# Altium PCB QAM16_PCB.PcbDoc (part 1 of 3) (continued)
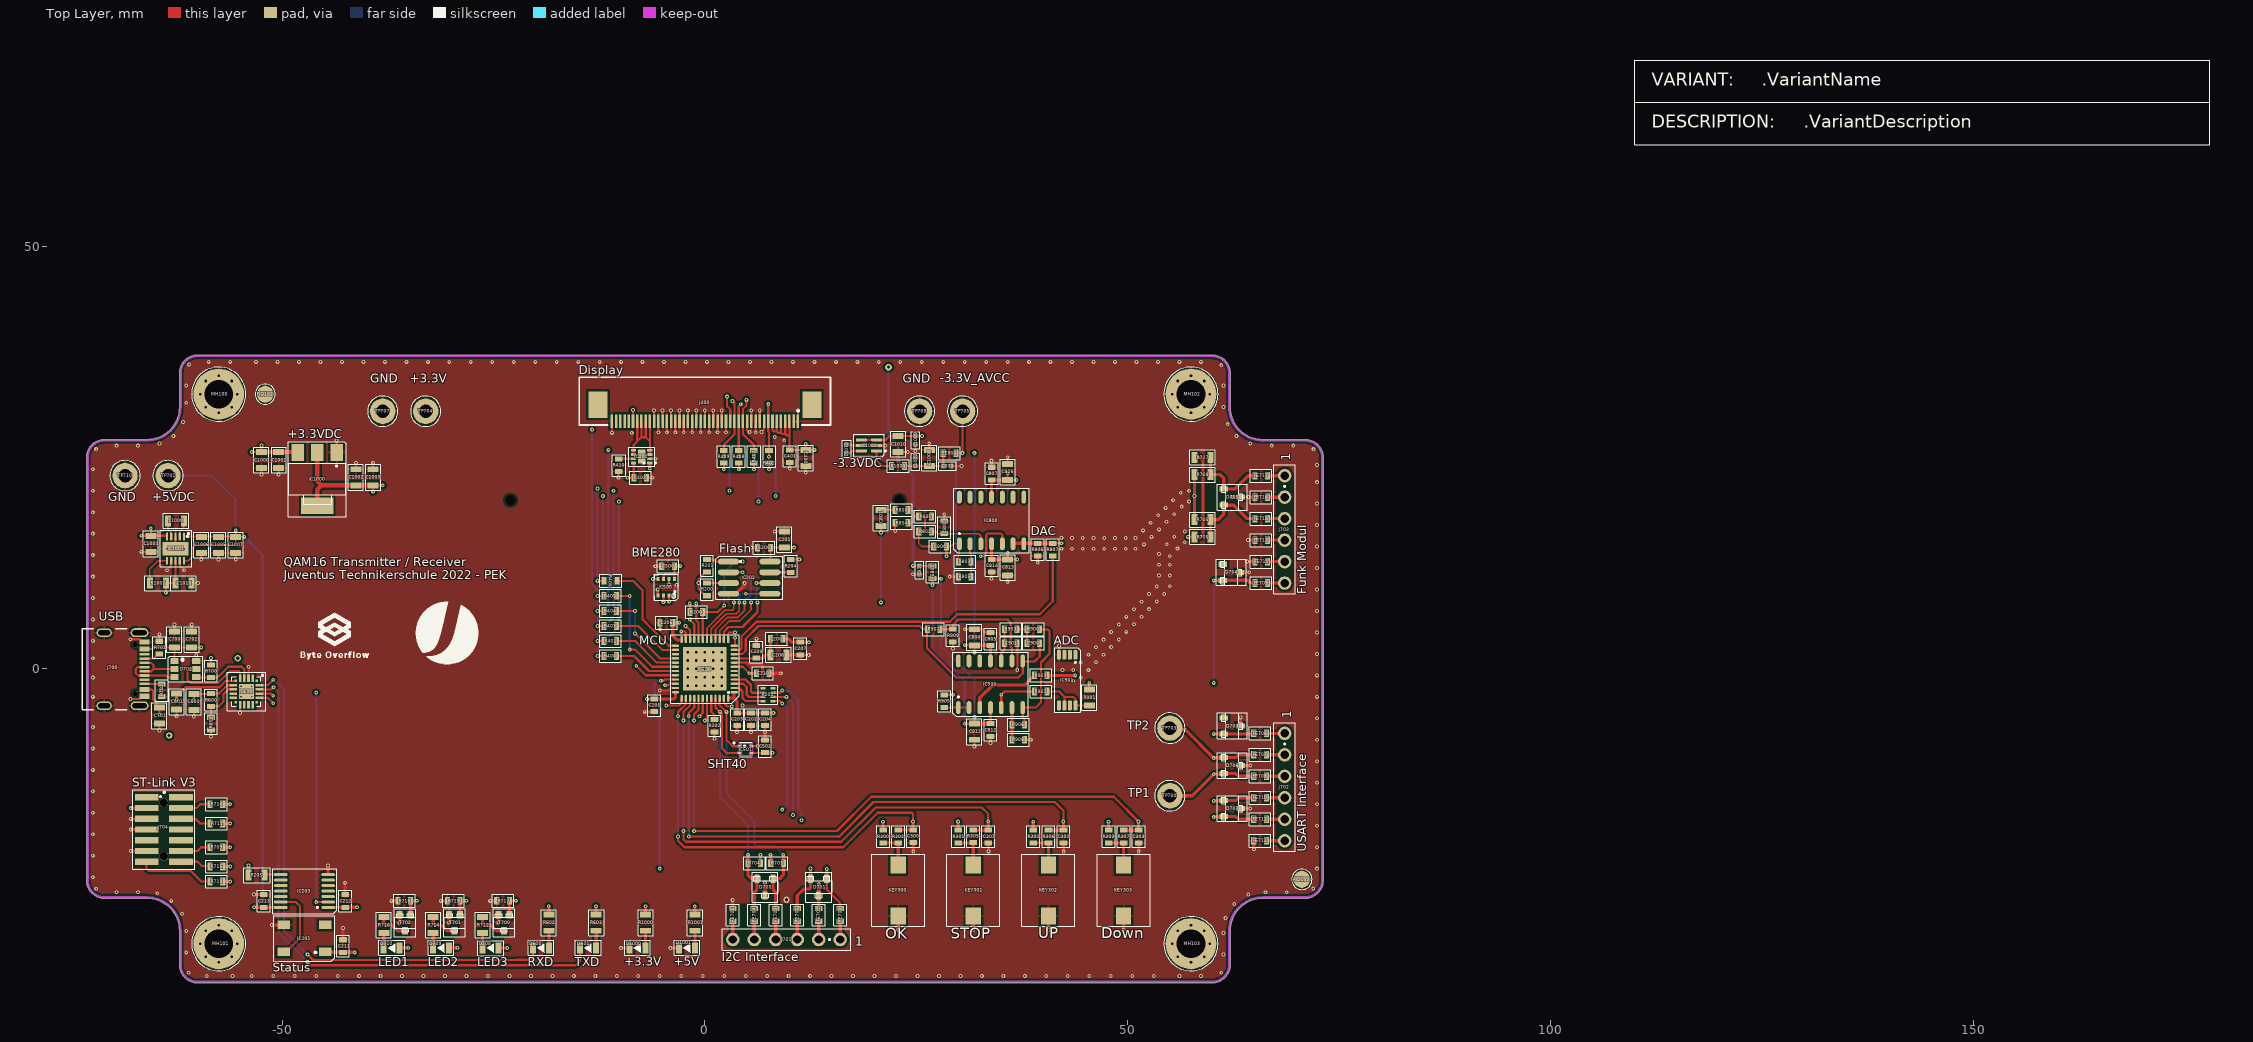
[diagram p0: Top Layer view]
## Part data (continued)
D700 D701 D703 D704 D705 D706 D707: library part A0113, "Diode", Manufacturer="Nexperia USA Inc.", Manufacturer Part Number=PESD5V2S2UT,215, Operating Range="-65°C to +150°C", Supplier Part Number=1727-3843-1-ND, Availability Date="22.09.2016 OPT", Changed="22.09.2016 OPT", Component Type=Standard, ComponentLink1Description=Datasheet, ComponentLink1URL=http://www.nxp.com/documents/data_sheet/PESDXS2UT_SERIES.pdf, Flammability=n.a., ID=A0113, Note="NXP Semiconductors PESD5V2S2UT 215 ESD Schutzdiode TVS-diode array", Part Status=Active, Part-Number=61.1522.1215, Pin Count=3, Price=0.097, Price 100=0.16, Price 1000=0.117, Price Date="02.12.2019 Pro Alpha", RoHS="RoHS Compliant", RoHS compliant=Yes, Specification="22.09.2016 OPT", Status=Active, Supplier=Digi-Key
D702: library part A0111, "Diode", Manufacturer="ON Semiconductor", Operating Range="-55°C to +125°C", Supplier Part Number=STF202-22T1GOSCT-ND, Availability Date="14.09.2016 OPT", Changed="14.09.2016 OPT", Component Type=Standard, ComponentLink1Description=Datasheet, ComponentLink1URL=http://www.onsemi.com/pub_link/Collateral/STF202-22T1-D.PDF, Flammability=n.a., ID=A0111, Manufacturer Part Number=STF202-22T1G, Note="ON Semiconductor STF202-22T1G USB Filter with ESD Protection", Part Status=Active, Part-Number=61.0202.2200, Pin Count=6, Price=0.31, Price 100=0.303, Price 1000=0.234, Price Date="02.12.2019 Pro Alpha", RoHS="RoHS Compliant", RoHS compliant=Yes, Specification="14.09.2016 OPT", Status=Active, Supplier=Digi-Key
FE700 FE701 FE702 FE703 FE704 FE705 FE706 FE707 FE708 FE709 FE710 FE711 FE712 FE713 FE714 FE715 FE716 FE717 FE800 FE801: library part M0071, "Ferrite", Manufacturer="Murata Electronics North America", Operating Range="-55°C to +125°C", Supplier Part Number 1=490-1015-1-ND, Availability Date="21.09.2016 OPT", Changed="21.09.2016 OPT", Component Type=Standard, ComponentLink1Description=Datasheet, ComponentLink1URL=http://search.murata.co.jp/Ceramy/image/img/PDF/ENG/L0110S0100BLM18A.pdf, Flammability=n.a., ID=M0071, Manufacturer Part Number=BLM18AG102SN1D, Note="Murata BLM18AG102SN1D Ferrit 1000Ohm 400mA", Part Status=Active, Part-Number=69.1810.2000, Pin Count=2, Price=0.021, Price 100=0.035, Price 1000=0.026, Price Date="02.12.2019 Pro Alpha", RoHS="RoHS Compliant", RoHS compliant=Yes, Specification="21.09.2016 OPT", Status=Active, Supplier 1=Digi-Key
FID100 FID101 FID102 FID103: library part C0039, "FIDUCIAL", Operating Range="-50°C to +130°C", Availability Date=-, Changed="19.09.2011 MLP", Component Type=Standard, Flammability="UL 94 V-0", ID=C0039, Note=FIDUCIAL-2, Part-Number=00.0000.0000, Pin Count=1, Price=0, Price 100=0, Price 1000=0, Price Date="07.10.2011 MLP", RoHS compliant=Yes, Specification="19.09.2011 MLP", Status=Active
IC200: library part H0056, "uC", Manufacturer=STMicroelectronics, Manufacturer Part Number=STM32L452CEU6, Operating Range="-40°C to +85°C", Availability Date="19.10.2022 PEK", Changed="19.10.2022 PEK", Component Type=Standard, ComponentLink1Description=Datasheet, ComponentLink1URL=https://www.st.com/resource/en/datasheet/stm32l452re.pdf, Flammability=n.a, ID=H0056, Note="ARM Mikrocontroller - MCU STM32 Dyn Eff MCU 512 K 100 MHz CPU", Part Status=Active, Part-Number=00.0000.0000, Pin Count=48, Price=11.81, Price 100=9.99, Price 1000=9.99, Price Date="19.10.2022 PEK", RoHS="RoHS Compliant", RoHS compliant=Yes, Specification="19.10.2022 PEK", Status=Active, Supplier 1=Farnell
IC201: library part A0133, "LED", Manufacturer=China, Operating Range="-40°C to +85°C", Availability Date="14.11.2019 PEK", Changed="14.11.2019 PEK", Component Type=Standard, ComponentLink1Description=Datasheet, ComponentLink1URL=https://cdn-shop.adafruit.com/datasheets/WS2812B.pdf, Flammability=n.a., ID=A0133, Manufacturer Part Number=WS2812B, Note="Addressable RGB LED", Part Status=Active, Part-Number=00.0000.0000, Pin Count=4, Price=0.4, Price 100=0.4, Price 1000=0.4, Price Date="14.11.2019 PEK", RoHS="RoHS Compliant", RoHS compliant=Yes, Specification="14.11.2019 PEK", Status=Active, Supplier=Aliexpress, Supplier Part Number=WS2812B, Verification="14.11.2019 PEK"
IC202: library part L0021, "Memory", Manufacturer="Microchip Technology", Operating Range="-40°C to +85°C", Supplier Part Number 1=AT25M01-SHM-TCT-ND, Availability Date="14.11.2016 OPT", Changed="06.04.2016 OPT", Component Type=Standard, ComponentLink1Description=Datasheet, ComponentLink1URL=http://www.atmel.com/images/atmel-8824-seeprom-at25m01-datasheet.pdf, Flammability=n.a., ID=L0021, Manufacturer Part Number=AT25M01-SHM-T, Note="Atmel AT25M01-SHM-T SPI Serial EEPROM 1MBIT", Part Status="Discontinued at Digi-Key", Part-Number=00.0000.0000, Pin Count=8, Price=2.48, Price 100=1.95, Price 1000=1.75, Price Date="06.04.2016 OPT", RoHS="RoHS Compliant", RoHS compliant=Yes, Specification="06.04.2016 OPT", Status=Active, Supplier 1=Digi-Key
IC203: library part E0093, "Level-shifter", Manufacturer="Texas Instruments", Manufacturer Part Number=TXB0104PWR, Operating Range="-40°C to +85°C", Supplier Part Number 1=296-21929-1-ND, Availability Date="15.11.2016 OPT", Changed="06.08.2015 NEC", Component Type=Standard, ComponentLink1Description=Datasheet, ComponentLink1URL=http://www.ti.com/lit/ds/symlink/txb0104.pdf, Flammability=n.a., ID=E0093, Note="Ti TXB0104PWR 4-Bit Bidirectional Voltage-level Translator With Automatic Direction Sensing", Part Status=Active, Part-Number=61.0104.9900, Pin Count=14, Price=0.883, Price 100=0.95, Price 1000=0.55, Price Date="02.12.2019 Pro Alpha", RoHS="RoHS Compliant", RoHS compliant=Yes, Specification="06.08.2015 NEC", Status=Active, Supplier 1=Digi-Key
IC400: library part E0058, "Driver", Manufacturer="ON Semiconductor", Operating Range="-40°C to +125°C", Supplier Part Number 1=CAT4004AHU2-GT3OSCT-ND, Availability Date="15.11.2016 OPT", Changed="13.09.2013 OPT", Component Type=Standard, ComponentLink1Description=Datasheet, ComponentLink1URL=http://www.onsemi.com/pub_link/Collateral/CAT4004A-D.PDF, Flammability=n.a., ID=E0058, Manufacturer Part Number=CAT4004AHU2-GT3, Note="ON Semiconductor CAT4004AHU2-GT3 LED-Beleuchtungstreiber LED DR 4 CH EZ DIM I/F", Part Status=Active, Part-Number=61.4004.2300, Pin Count=8, Price=0.591, Price 100=0.624, Price 1000=0.436, Price Date="02.12.2019 Pro Alpha", RoHS="RoHS Compliant", RoHS compliant=Yes, Specification="13.09.2013 OPT", Status=Active, Supplier 1=Digi-Key, Verification="18.09.2014 FUW"
IC500: library part E0109, "Sensor", Manufacturer="Bosch Sensortec", Operating Range="-40°C to +85°C", Supplier Part Number 1=828-1063-1-ND, Availability Date="15.11.2016 OPT", Changed="05.04.2016 ENP", Component Type=Standard, ComponentLink1Description=Datasheet, ComponentLink1URL=https://ae-bst.resource.bosch.com/media/_tech/media/datasheets/BST-BME280_DS001-11.pdf, Flammability=n.a., ID=E0109, Manufacturer Part Number=BME280, Note="Bosch BME280 Digital Pressure/Humidity/Temperature Sensor", Part Status=Active, Part-Number=61.0280.0499, Pin Count=8, Price=3.595, Price 100=6.18, Price 1000=5.35, Price Date="02.12.2019 Pro Alpha", RoHS="RoHS Compliant", RoHS compliant=Yes, Specification="05.04.2016 ENP", Status=Active, Supplier 1=Digi-Key
IC501: library part E0147, "Sensor", Manufacturer=Sensirion, Operating Range="-40°C to +85°C", Supplier Part Number 1=403-SHT40-AD1B-R2, Availability Date="02.04.2021 PEK", Changed="02.04.2021 PEK", Component Type=Standard, ComponentLink1Description=Datasheet, ComponentLink1URL=https://www.mouser.ch/datasheet/2/682/Datasheet_SHT4xA-3002605.pdf, Flammability=n.a, ID=E0147, Manufacturer Part Number=SHT40-AD1B-R2, Note="Feuchtigkeitssensoren für Plattenmontage RH/ T Sensor", Part Status=Active, Part-Number=00.0000.0000, Pin Count=5, Price=2.87, Price 100=1.68, Price 1000=1.33, Price Date="02.04.2021 PEK", RoHS="RoHS Compliant", RoHS compliant=Yes, Specification="02.04.2021 PEK", Status=Active, Supplier 1=Mouser
IC600: library part E0130, "Interface", Manufacturer="Silicon Labs", Manufacturer Part Number=CP2102N-A02-GQFN20, Operating Range="-40°C to +85°C", Availability Date="02.12.2019 PEK", Changed="02.12.2019 PEK", Component Type=Standard, ComponentLink1Description=Datasheet, ComponentLink1URL=https://www.mouser.ch/datasheet/2/368/cp2102n-datasheet-1634912.pdf, Flammability=n.a, ID=E0130, Note="USB-IC-Schnittstelle USB to UART bridge - QFN20", Part Status=Active, Part-Number=00.0000.0000, Pin Count=21, Price=1.27, Price 100=1.18, Price 1000=1.14, Price Date="02.12.2019 PEK", RoHS="RoHS Compliant", RoHS compliant=Yes, Specification="02.12.2019 PEK", Status=Active, Supplier 1=Mouser, Supplier Part Number 1=CP2102N-A02-GQFN20
IC800 IC900: library part I0016, "OPAMP", Manufacturer="Texas Instruments", Operating Range="-40°C to +125°C", Availability Date="19.09.2020 PEK", Changed="19.09.2020 PEK", Component Type=Standard, ComponentLink1Description=Datasheet, ComponentLink1URL=https://www.ti.com/lit/ds/symlink/lmc6484.pdf?ts=1600470487572&ref_url=https%253A%252F%252Fwww.ti.com%252Fstore%252Fti%252Fen%252Fp%252Fproduct%252F%253Fp%253DLMC6484IMX%252FNOPB, Flammability=n.a., ID=I0016, Manufacturer Part Number=LMC6484IMX/NOPB, Note="Operationsverstärker CMOS QUAD Rail to Rail", Part Status=Active, Part-Number=00.0000.0000, Pin Count=14, Price=2.25, Price 100=1.52, Price 1000=1.03, Price Date="19.09.2020 PEK", RoHS="RoHS Compliant", RoHS compliant=Yes, Specification="19.09.2020 PEK", Status=Active, Supplier 1=Mouser, Supplier Part Number 1=LMC6484IMX/NOPB
IC901: library part E0101, "Voltage reference", Manufacturer="Texas Instruments", Operating Range="-55°C to +85°C", Supplier Part Number 1=296-13079-1-ND, Availability Date="15.11.2016 OPT", Changed="28.10.2015 OPT", Component Type=Standard, ComponentLink1Description=Datasheet, ComponentLink1URL=http://www.ti.com/lit/ds/symlink/lt1004-1.2.pdf, Flammability=n.a., ID=E0101, Manufacturer Part Number=LT1004IPWR-1-2, Note="Ti LT1004IPWR-1-2 1.235V MICROPOWER INTEGRATED VOLTAGE REFERENCE", Part Status=Active, Part-Number=00.0000.0000, Pin Count=8, Price=0.946, Price 100=0.587, Price 1000=0.409, Price Date="28.10.2015 OPT", RoHS="RoHS Compliant", RoHS compliant=Yes, Specification="28.10.2015 OPT", Status=Active, Supplier 1=Digi-Key
IC1000: library part K0059, "Voltage regulator", Manufacturer="Texas Instruments", Manufacturer Part Number=TLV1117LV33DCYR, Operating Range="-40°C to +125°C", Supplier Part Number 1=296-28778-1-ND, Availability Date="14.09.2016 OPT", Changed="14.09.2016 OPT", Component Type=Standard, ComponentLink1Description=Datasheet, ComponentLink1URL=http://www.ti.com/lit/ds/symlink/tlv1117lv.pdf, Flammability=n.a., ID=K0059, Note="Ti TLV1117LV33DCY 3.3V 1A pos. fixed Voltage LDO", Part Status=Active, Part-Number=00.0000.0000, Pin Count=4, Price=0.607, Price 100=0.33, Price 1000=0.265, Price Date="14.09.2016 OPT", RoHS="RoHS Compliant", RoHS compliant=Yes, Specification="14.09.2016 OPT", Status=Active, Supplier 1=Digi-Key
IC1001: library part K0067, "Voltage regulator", Manufacturer="Analog Devices", Manufacturer Part Number=584-ADP2503ACPZ5.0R7, Operating Range="-40°C to +125°C", Availability Date="27.10.2022 PEK", Changed="27.10.2022 PEK", Component Type=Standard, ComponentLink1Description=Datasheet, ComponentLink1URL=https://www.mouser.ch/datasheet/2/609/ADP2503_2504-1503443.pdf, Flammability=n.a, ID=K0067, Note="Schaltspannungsregler 5V 600mA, Buck Boost Converter", Part Status=Active, Part-Number=00.0000.0000, Pin Count=10, Price=5.04, Price 100=3.70, Price 1000=2.68, Price Date="27.10.2022 PEK", RoHS="RoHS Compliant", RoHS compliant=Yes, Specification="27.10.2022 PEK", Status=Active, Supplier 1=Mouser, Supplier Part Number 1=584-ADP2503ACPZ5.0R7
IC1002: library part K0070, "Voltage regulator", Manufacturer="Maxim Integrated", Operating Range="-40°C to +125°C", Supplier Part Number 1=700-MAX1853EXT+T, Artikel-Nr.=61.1836.9600, Availability Date="27.10.2022 PEK", Changed="27.10.2022 PEK", Component Type=Standard, ComponentLink1Description=Datasheet, ComponentLink1URL=https://www.mouser.ch/datasheet/2/256/MAX1852-MAX1853-1273825.pdf, Flammability=n.a, ID=K0070, Manufacturer Part Number=MAX1853EXT+T, Note="Schaltspannungsregler SC70-6 Inverting Charge Pumps with Shutdown MAX1853EXT+T", Part Status=Active, Part-Number=00.0000.0000, Pin Count=6, Preis(CHF)=2.7000, Price=2.19, Price 100=1.58, Price 1000=1.11, Price Date="27.10.2022 PEK", RoHS="RoHS Compliant", RoHS compliant=Yes, Specification="27.10.2022 PEK", Status=Active, Supplier 1=Mouser
J400: library part N0180, "Connector", Operating Range="-40°C to +120°C", Availability Date="02.04.2022 PEK", Changed="02.04.2022 PEK", Component Type=Standard, ComponentLink1Description=Datasheet, ComponentLink1URL=https://cdn.amphenol-cs.com/media/wysiwyg/files/documentation/datasheet/flex/ffc_fpc_050mm_f32r_f32q.pdf, Flammability="UL 94 V-0", ID=N0180, Note="FFC & FPC-Steckverbinder F31W-1A7H1-11024-Slider type", Part-Number=00.0000.0000, Pin Count=45, Price=1.11, Price 100=1.11, Price 1000=1.11, Price Date="02.04.2022 PEK", RoHS compliant=Yes, Specification="02.04.2022 PEK", Status=Active
J700: library part N0175, "Connector", Manufacturer=GCT, Manufacturer Part Number=USB4105-GF-A, Operating Range="-40°C to +120°C", Package=None, Supplier Part Number 1=640-USB4105-GF-A, Availability=Unavailable, Availability Date="28.03.2021 PEK", Changed="28.03.2021 PEK", Component Type=Standard, ComponentLink1Description=Datasheet, ComponentLink1URL=https://www.mouser.ch/datasheet/2/837/USB4105_spec-2327646.pdf, DeviceSetName=105450-0101, Flammability="UL 94 V-0", GateName_1=G$1, ID=N0175, LibraryName=105450-0101, MF=Molex, MP=1054500101, Note="USB-Stecker USB Type C,2.0, Rec, SMT,TH Shell Stakes USB4105-GF-A", Part Status=Active, Part-Number=00.0000.0000, Pin Count=16, Price=0.75, Price 100=0.46, Price 1000=0.41, Price Date="28.03.2021 PEK", RoHS="RoHS Compliant", RoHS compliant=Yes, Specification="28.03.2021 PEK", Status=Active, Supplier 1=Mouser, SymbolName_1=105450-0101
J701 J702 J703: library part N0117, "Connector", Operating Range="-65°C to +125°C", Availability Date="16.11.2016 OPT", Changed="13.01.2015 NEC", Component Type=Standard, Flammability=n.a., ID=N0117, Note="Stiftleiste 6pol", Part-Number=86.5180.0110-6, Pin Count=6, Price=0.05, Price 100=0.05, Price 1000=0.05, Price Date="13.01.2015 NEC", RoHS compliant=Yes, Specification="13.01.2015 NEC", Status=Active
J704: library part N0177, "Connector", Manufacturer=Samtec, Manufacturer Part Number=FTSH-107-01-L-DV-K-A, Operating Range="-40°C to +120°C", Supplier Part Number 1=200-FTSH10701LDVKA, Availability Date="28.03.2021 PEK", Changed="28.03.2021 PEK", Component Type=Standard, ComponentLink1Description=Datasheet, ComponentLink1URL=https://www.mouser.ch/datasheet/2/527/ftsh_smt-1316912.pdf, Flammability="UL 94 V-0", ID=N0177, Note=Stiftleiste_Stlink_V3, Part Status=Active, Part-Number=00.0000.0000, Pin Count=14, Price=3.90, Price 100=3.22, Price 1000=2.20, Price Date="28.03.2021 PEK", RoHS="RoHS Compliant", RoHS compliant=Yes, Specification="28.03.2021 PEK", Status=Active, Supplier 1=Mouser
KEY300 KEY301 KEY302 KEY303: library part O0015, "Button", Manufacturer=E-Switch, Operating Range="-20°C to +60°C", Supplier Part Number 1=612-TL9210AF180Q, Availability Date="05.11.2022 PEK", Changed="05.11.2022 PEK", Component Type=Standard, ComponentLink1Description=Datasheet, ComponentLink1URL=https://www.mouser.ch/datasheet/2/140/e-switch_TL9210-1165861.pdf, Flammability=n.a., ID=O0015, Manufacturer Part Number=TL9210AF180Q, Note="Sensorschalter 180gF SPST LngTravel 50mA 12VDC 200gF", Part Status=Active, Part-Number=00.0000.0000, Pin Count=2, Price=0.63, Price 100=0.61, Price 1000=0.38, Price Date="05.11.2022 PEK", RoHS="RoHS Compliant", RoHS compliant=Yes, Specification="05.11.2022 PEK", Status=Active, Supplier 1=Mouser
L200: library part M0007, "Inductor", Manufacturer="Taiyo Yuden", Manufacturer Part Number=HK160822NJ-T, Operating Range="-40°C to +85°C", Supplier Part Number 1=587-1549-1-ND, Availability Date="15.11.2016 OPT", Changed="19.09.2011 MLP", Component Type=Standard, Flammability=n.a., ID=M0007, Note="Taiyo Yuden HK160822NJ-T Festinduktoren INDCTR HIFREQ MLTLYR 0603 22nH 5%", Part Status=Active, Part-Number=69.0220.0000, Pin Count=2, Price=0.029, Price 100=0.076, Price 1000=0.05, Price Date="02.12.2019 Pro Alpha", RoHS="RoHS Compliant", RoHS compliant=Yes, Specification="19.09.2011 MLP", Status=Active, Supplier 1=Digi-Key, Verification="05.07.2012 OPT"
L1000: library part M0085, "Inductor", Manufacturer=TDK, Manufacturer Part Number=ADL2012-1R5M-T01, Operating Range="-40°C to +125°C", Supplier Part Number 1=810-ADL2012-1R5M-T01, Availability Date="27.10.2022 PEK", Changed="27.10.2022 PEK", Component Type=Standard, ComponentLink1Description=Datasheet, ComponentLink1URL=https://product.tdk.com/system/files/dam/doc/product/inductor/inductor/smd/catalog/inductor_automotive_decoupling_adl2012_en.pdf, Flammability=n.a., ID=M0085, Note="Festinduktivitäten 1.5uH 10% 0.56A CWF2414", Part Status=Active, Part-Number=00.0000.0000, Pin Count=2, Price=0.62, Price 100=0.37, Price 1000=0.26, Price Date="27.10.2022 PEK", RoHS="RoHS Compliant", RoHS compliant=Yes, Specification="27.10.2022 PEK", Status=Active, Supplier 1=Mouser
MH100 MH101 MH102 MH103: library part C0025, "PCB hole", Operating Range="-50°C to +130°C", Availability Date=-, Changed="15.01.2013 OPT", Component Type=Standard, ID=C0025, Note=MH_M3_RND_2, Part-Number=00.0000.0000, Pin Count=1, Price=0.000, Price 100=0, Price 1000=0, Price Date="15.01.2013 OPT", Specification="15.01.2013 OPT", Status=Active
R200 R201 R202 R204 R300 R301 R302 R303 R402 R407 R408 R409 R801 R802 R805 R806 R807 R900 R902 R903 R904 R905 R908 R909: library part Q0017, "Resistor", Manufacturer="Vishay Dale", Manufacturer Part Number=CRCW060310K0FKEAHP, Operating Range="-55°C to +155°C", Supplier Part Number=541-10.0KSCT-ND, Availability Date="16.11.2016 OPT", Changed="19.09.2011 MLP", Component Type=Standard, ComponentLink1Description=http://www.vishay.com/docs/20043/crcwhpe3.pdf, ComponentLink1URL=http://www.vishay.com/docs/20043/crcwhpe3.pdf, Flammability=n.a., ID=Q0017, Note="10k 1% 100ppm 1/10W Vishay CRCW060310K0FKEA", Part Status=Active, Part-Number=71.1002.1300, Pin Count=2, Price=0.001, Price 100=0.002, Price 1000=0.002, Price Date="02.12.2019 Pro Alpha", RoHS="RoHS Compliant", RoHS compliant=Yes, Specification="19.09.2011 MLP", Status=Active, Supplier=Digi-Key, Verification="05.07.2012 OPT"
R203: library part Q0303, "Resistor", Manufacturer="Vishay Dale", Manufacturer Part Number=CRA04S083100RJTD, Operating Range="-55°C to +150°C", Supplier Part Number=CRA4S8100CT-ND, Availability Date="16.11.2016 OPT", Changed="23.09.2014 OPT", Component Type=Standard, ComponentLink1Description=Datasheet, ComponentLink1URL=http://www.mouser.com/ds/2/427/cra04s-103900.pdf, ComponentLink2Description=http://www.vishay.com/docs/31043/cra04s.pdf, ComponentLink2URL=http://www.vishay.com/docs/31043/cra04s.pdf, Flammability=n.a., ID=Q0303, Note="100E 4x 5.0% 200ppm 1/16W Vishay CRA04S083100RJTD", Part Status=Active, Part-Number=71.1000.1399, Pin Count=2, Price=0.025, Price 100=0.077, Price 1000=0.058, Price Date="02.12.2019 Pro Alpha", RoHS="RoHS Compliant", RoHS compliant=Yes, Specification="30.06.2014 OPT", Status=Active, Supplier=Digi-Key
R205 R705 R706 R707 R708 R1002: library part Q0244, "Resistor", Manufacturer="Vishay Dale", Manufacturer Part Number=CRCW08050000Z0EAHP, Operating Range="-55°C to +155°C", Supplier Part Number=541-0.0TBCT-ND, Availability Date="16.11.2016 OPT", Changed="23.04.2013 OPT", Component Type=Standard, ComponentLink1Description=Datasheet, ComponentLink1URL=http://www.mouser.com/ds/2/427/dcrcwe3-109170.pdf, ComponentLink2Description=http://www.vishay.com/docs/20043/crcwhpe3.pdf, ComponentLink2URL=http://www.vishay.com/docs/20043/crcwhpe3.pdf, Flammability=n.a., ID=Q0244, Note="0E 1.0% Vishay/Dale CRCW08050000Z0EA", Part Status=Active, Part-Number=71.0000.0500, Pin Count=2, Price=0.005, Price 100=0.007, Price 1000=0.007, Price Date="02.12.2019 Pro Alpha", RoHS="RoHS Compliant", RoHS compliant=Yes, Specification="23.04.2013 OPT", Status=Active, Supplier=Digi-Key, Verification="05.03.2013 ENP"
R206 R304 R305 R306 R307 R400 R401 R403 R404 R405 R406 R709 R710 R711 R713 R715: library part Q0011, "Resistor", Manufacturer="Vishay Dale", Manufacturer Part Number=CRCW0603100RFKEA, Operating Range="-55°C to +155°C", Supplier Part Number=541-100HCT-ND, Availability Date="16.11.2016 OPT", Changed="19.09.2011 MLP", Component Type=Standard, ComponentLink1Description=http://www.vishay.com/docs/20035/dcrcwe3.pdf, ComponentLink1URL=http://www.vishay.com/docs/20035/dcrcwe3.pdf, Flammability=n.a., ID=Q0011, Note="100E 1% 100ppm 1/10W Vishay / Dale CRCW0603100RFKTB", Part Status=Active, Part-Number=71.1000.1300, Pin Count=2, Price=0.002, Price 100=0.002, Price 1000=0.002, Price Date="02.12.2019 Pro Alpha", RoHS="RoHS Compliant", RoHS compliant=Yes, Specification="19.09.2011 MLP", Status=Active, Supplier=Digi-Key, Verification="05.07.2012 OPT"
R410: library part Q0140, "Resistor", Manufacturer="Vishay Dale", Manufacturer Part Number=CRCW06033K90FKEA, Operating Range=-, Supplier Part Number=541-3.90KHCT-ND, Availability Date="16.11.2016 OPT", Changed="19.09.2011 MLP", Component Type=Standard, Flammability=n.a., ID=Q0140, Note="3.9k 1% 100ppm 1/10W Vishay CRCW06033K90FKEA", Part Status=Active, Part-Number=71.3901.1300, Pin Count=2, Price=0.002, Price 100=0.002, Price 1000=0.002, Price Date="02.12.2019 Pro Alpha", RoHS="RoHS Compliant", RoHS compliant=Yes, Specification="19.09.2011 MLP", Status=Active, Supplier=Digi-Key, Verification="05.07.2012 OPT"
R600: library part Q0094, "Resistor", Manufacturer="Vishay Dale", Manufacturer Part Number=CRCW060322K0FKEA, Operating Range="-55°C to +155°C", Supplier Part Number=541-22.0KHCT-ND, Availability Date="16.11.2016 OPT", Changed="19.09.2011 MLP", Component Type=Standard, ComponentLink1Description=http://www.vishay.com/docs/20035/dcrcwe3.pdf, ComponentLink1URL=http://www.vishay.com/docs/20035/dcrcwe3.pdf, Flammability=n.a., ID=Q0094, Note="22k 1% 100ppm 1/10W Vishay CRCW060322K0FKTA", Part Status=Active, Part-Number=71.2202.1300, Pin Count=2, Price=0.002, Price 100=0.002, Price 1000=0.002, Price Date="02.12.2019 Pro Alpha", RoHS="RoHS Compliant", RoHS compliant=Yes, Specification="19.09.2011 MLP", Status=Active, Supplier=Digi-Key, Verification="05.07.2012 OPT"
R601: library part Q0153, "Resistor", Manufacturer="Vishay Dale", Manufacturer Part Number=CRCW060347K0FKEA, Operating Range=-, Supplier Part Number=541-47.0KHCT-ND, Availability Date="16.11.2016 OPT", Changed="19.09.2011 MLP", Component Type=Standard, ComponentLink1Description=http://www.vishay.com/docs/20035/dcrcwe3.pdf, ComponentLink1URL=http://www.vishay.com/docs/20035/dcrcwe3.pdf, Flammability=n.a., ID=Q0153, Note="47K 1% 100ppm 1/10W CRCW060347K0FKEA", Part Status=Active, Part-Number=71.4702.1300, Pin Count=2, Price=0.002, Price 100=0.002, Price 1000=0.002, Price Date="02.12.2019 Pro Alpha", RoHS="RoHS Compliant", RoHS compliant=Yes, Specification="19.09.2011 MLP", Status=Active, Supplier=Digi-Key, Verification="05.07.2012 OPT"
R602 R603 R712 R714 R716 R1000 R1001: library part Q0422, "Resistor", Manufacturer="Panasonic Electronic Components", Manufacturer Part Number=ERJ-6ENF5600V, Operating Range="-55°C to +155°C", Supplier Part Number=667-ERJ-6ENF5600V, Availability Date="15.11.2019 PEK", Changed="15.11.2019 PEK", Component Type=Standard, ComponentLink1Description=Datasheet, ComponentLink1URL=https://www.mouser.ch/datasheet/2/315/AOA0000C304-1149620.pdf, Flammability=n.a., ID=Q0422, Note="Dickfilmwiderstände - SMD 0805 560ohms 1% AEC-Q200", Part Status=Active, Part-Number=00.0000.0000, Pin Count=2, Price=0.098, Price 100=0.03, Price 1000=0.011, Price Date="15.11.2019 PEK", RoHS="RoHS Compliant", RoHS compliant=Yes, Specification="15.11.2019 PEK", Status=Active, Supplier=Mouser
R700: library part Q0052, "Resistor", Manufacturer="Vishay Dale", Manufacturer Part Number=CRCW06031K50FKEA, Operating Range="-55°C to +155°C", Supplier Part Number=541-1.50KHCT-ND, Availability Date="16.11.2016 OPT", Changed="19.09.2011 MLP", Component Type=Standard, ComponentLink1Description=http://www.vishay.com/docs/20035/dcrcwe3.pdf, ComponentLink1URL=http://www.vishay.com/docs/20035/dcrcwe3.pdf, Flammability=n.a., ID=Q0052, Note="1.5k 1% 200ppm 1/10W Vishay CRCW06031K50FKTA", Part Status=Active, Part-Number=71.1501.1300, Pin Count=2, Price=0.001, Price 100=0.002, Price 1000=0.002, Price Date="02.12.2019 Pro Alpha", RoHS="RoHS Compliant", RoHS compliant=Yes, Specification="19.09.2011 MLP", Status=Active, Supplier=Digi-Key, Verification="05.07.2012 OPT"
R701 R702: library part Q0166, "Resistor", Manufacturer="Vishay Dale", Manufacturer Part Number=CRCW06035K10FKEA, Operating Range=-, Supplier Part Number=541-5.10KHCT-ND, Availability Date="16.11.2016 OPT", Changed="19.09.2011 MLP", Component Type=Standard, ComponentLink1Description=http://www.vishay.com/docs/20035/dcrcwe3.pdf, ComponentLink1URL=http://www.vishay.com/docs/20035/dcrcwe3.pdf, Flammability=n.a., ID=Q0166, Note="5.1k 1% 100ppm 1/10W Vishay CRCW06035K10FKEA", Part Status=Active, Part-Number=71.5101.1300, Pin Count=2, Price=0.002, Price 100=0.002, Price 1000=0.002, Price Date="02.12.2019 Pro Alpha", RoHS="RoHS Compliant", RoHS compliant=Yes, Specification="19.09.2011 MLP", Status=Active, Supplier=Digi-Key, Verification="05.07.2012 OPT"
R703 R704: library part Q0091, "Resistor", Manufacturer="Vishay Dale", Manufacturer Part Number=CRCW06032K20FKEA, Operating Range="-55°C to +155°C", Supplier Part Number=541-2.20KHCT-ND, Availability Date="16.11.2016 OPT", Changed="19.09.2011 MLP", Component Type=Standard, ComponentLink1Description=http://www.vishay.com/docs/20035/dcrcwe3.pdf, ComponentLink1URL=http://www.vishay.com/docs/20035/dcrcwe3.pdf, Flammability=n.a., ID=Q0091, Note="2.2k 1% 100ppm 1/10W Vishay CRCW06032K20FKTA", Part Status=Active, Part-Number=71.2201.1300, Pin Count=2, Price=0.001, Price 100=0.002, Price 1000=0.002, Price Date="02.12.2019 Pro Alpha", RoHS="RoHS Compliant", RoHS compliant=Yes, Specification="19.09.2011 MLP", Status=Active, Supplier=Digi-Key, Verification="05.07.2012 OPT"
R717 R718 R719: library part Q0023, "Resistor", Manufacturer="Vishay Dale", Manufacturer Part Number=CRCW0603100KFKEA, Operating Range="-55°C to +155°C", Supplier Part Number=541-100KHCT-ND, Availability Date="16.11.2016 OPT", Changed="19.09.2011 MLP", Component Type=Standard, ComponentLink1Description=http://www.vishay.com/docs/20008/dcrcw.pdf, ComponentLink1URL=http://www.vishay.com/docs/20008/dcrcw.pdf, ComponentLink2Description=http://www.vishay.com/docs/20035/dcrcwe3.pdf, ComponentLink2URL=http://www.vishay.com/docs/20035/dcrcwe3.pdf, Flammability=n.a., ID=Q0023, Note="100k 1% 100ppm 1/10W Vishay / Dale CRCW0603100KFKEA", Part Status=Active, Part-Number=71.1003.1300, Pin Count=2, Price=0.001, Price 100=0.002, Price 1000=0.002, Price Date="02.12.2019 Pro Alpha", RoHS="RoHS Compliant", RoHS compliant=Yes, Specification="19.09.2011 MLP", Status=Active, Supplier=Digi-Key, Verification="05.07.2012 OPT"
R800: library part Q0174, "Resistor", Manufacturer="Vishay Dale", Manufacturer Part Number=CRCW060356K0FKEA, Operating Range=-, Supplier Part Number=541-56.0KHCT-ND, Availability Date="16.11.2016 OPT", Changed="19.09.2011 MLP", Component Type=Standard, ComponentLink1Description=http://www.vishay.com/docs/20035/dcrcwe3.pdf, ComponentLink1URL=http://www.vishay.com/docs/20035/dcrcwe3.pdf, Flammability=n.a., ID=Q0174, Note="56k 1% 100ppm 1/10W Vishay CRCW060356K0FKEA", Part Status=Active, Part-Number=71.5602.1300, Pin Count=2, Price=0.002, Price 100=0.002, Price 1000=0.002, Price Date="02.12.2019 Pro Alpha", RoHS="RoHS Compliant", RoHS compliant=Yes, Specification="19.09.2011 MLP", Status=Active, Supplier=Digi-Key, Verification="05.07.2012 OPT"
R803 R906 R907: library part Q0180, "Resistor", Manufacturer="Vishay Dale", Manufacturer Part Number=CRCW06036K80FKEA, Operating Range="-55°C to +155°C", Supplier Part Number=541-6.80KHCT-ND, Availability Date="16.11.2016 OPT", Changed="19.09.2011 MLP", Component Type=Standard, ComponentLink1Description=http://www.vishay.com/docs/20035/dcrcwe3.pdf, ComponentLink1URL=http://www.vishay.com/docs/20035/dcrcwe3.pdf, Flammability=n.a., ID=Q0180, Note="6.8k 1% 100ppm 1/10W Vishay CRCW06036K80FKEA", Part Status=Active, Part-Number=71.6801.1300, Pin Count=2, Price=0.002, Price 100=0.002, Price 1000=0.002, Price Date="02.12.2019 Pro Alpha", RoHS="RoHS Compliant", RoHS compliant=Yes, Specification="19.09.2011 MLP", Status=Active, Supplier=Digi-Key, Verification="05.07.2012 OPT"
R804: library part Q0073, "Resistor", Manufacturer="Vishay Dale", Manufacturer Part Number=CRCW060318K0FKEA, Operating Range="-55°C to +155°C", Supplier Part Number=541-18.0KHDKR-ND, Availability Date="16.11.2016 OPT", Changed="19.09.2011 MLP", Component Type=Standard, ComponentLink1Description=http://www.vishay.com/docs/20035/dcrcwe3.pdf, ComponentLink1URL=http://www.vishay.com/docs/20035/dcrcwe3.pdf, Flammability=n.a., ID=Q0073, Note="18k 1% 100ppm 1/10W Vishay CRCW060318K0FKTA", Part Status=Active, Part-Number=71.1802.1300, Pin Count=2, Price=0.002, Price 100=0.002, Price 1000=0.002, Price Date="02.12.2019 Pro Alpha", RoHS="RoHS Compliant", RoHS compliant=Yes, Specification="19.09.2011 MLP", Status=Active, Supplier=Digi-Key, Verification="05.07.2012 OPT"
R901: library part Q0328, "Resistor", Manufacturer="Vishay Dale", Manufacturer Part Number=CRCW0805100KFKEA, Operating Range="-55°C to +155°C", Supplier Part Number=541-100KCCT-ND, Availability Date="16.11.2016 OPT", Changed="28.07.2015 OPT", Component Type=Standard, ComponentLink1Description=Datasheet, ComponentLink1URL=http://www.vishay.com/docs/20035/dcrcwe3.pdf, Flammability=n.a., ID=Q0328, Note="100k 1.0% 100ppm 1/8W Vishay CRCW0805100KFKEA", Part Status=Active, Part-Number=71.1003.1700, Pin Count=2, Price=0.009, Price 100=0.026, Price 1000=0.018, Price Date="02.12.2019 Pro Alpha", RoHS="RoHS Compliant", RoHS compliant=Yes, Specification="28.07.2015 OPT", Status=Active, Supplier=Digi-Key
R1003: library part Q0389, "Resistor", Manufacturer="Vishay Dale", Manufacturer Part Number=CRCW060310R0FKEA, Operating Range="-55°C to +155°C", Supplier Part Number=541-10.0HCT-ND, Availability Date="21.09.2016 OPT", Changed="21.09.2016 OPT", Component Type=Standard, ComponentLink1Description=Datasheet, ComponentLink1URL=http://www.vishay.com/docs/20035/dcrcwe3.pdf, Flammability=n.a., ID=Q0389, Note="10E 1% 100ppm 1/10W Vishay CRCW060310R0FKEA", Part Status=Active, Part-Number=71.1009.1500, Pin Count=2, Price=0.043, Price 100=0.026, Price 1000=0.018, Price Date="02.12.2019 Pro Alpha", RoHS="RoHS Compliant", RoHS compliant=Yes, Specification="21.09.2016 OPT", Status=Active, Supplier=Digi-Key, Verification="26.09.2016 ENP"
T700 T701 T702: library part P0026, "FET", Manufacturer="Vishay Siliconix", Operating Range="-55°C to +150°C", Supplier Part Number 1=SI1308EDL-T1-GE3CT-ND, Availability Date="15.11.2016 OPT", Changed="11.08.2015 OPT", Component Type=Standard, ComponentLink1Description=Datasheet, ComponentLink1URL=http://www.vishay.com/docs/63399/si1308edl.pdf, Flammability=n.a., ID=P0026, Manufacturer Part Number=SI1308EDL-T1-GE3, Note="Vishay SI1308EDL-T1-GE3", Part Status=Active, Part-Number=61.0250.0001, Pin Count=3, Price=0.152, Price 100=0.19, Price 1000=0.13, Price Date="02.12.2019 Pro Alpha", RoHS="RoHS Compliant", RoHS compliant=Yes, Specification="11.08.2015 OPT", Status=Active, Supplier 1=Digi-Key
TP700 TP701 TP703 TP704 TP705 TP707 TP708 TP710: library part C0020, Manufacturer="Keystone Electronics", Manufacturer Part Number=5006, Operating Range="-40°C to +85°C", Supplier Part Number 1=36-5006-ND, Availability Date="14.11.2016 OPT", Changed="21.12.2012 OPT", Component Type=Standard, ComponentLink1Description=Datasheet, ComponentLink1URL=http://www.keyelco.com/pdfs/M60/M60p60.pdf, Flammability=n.a., ID=C0020, Note="Keystone Electronics 5006 Testpoint", Part Status=Active, Part-Number=86.5006.0101, Pin Count=1, Price=0.197, Price 100=0.197, Price 1000=0.197, Price Date="02.12.2019 Pro Alpha", RoHS="RoHS Compliant", RoHS compliant=Yes, Specification="21.12.2012 OPT", Status=Active, Supplier 1=Digi-Key

## Via types
v1: diameter 0.45, hole 0.2, Top Layer to Bottom Layer, tented both sides, 558 vias
v2: diameter 0.762, hole 0.381, Top Layer to Bottom Layer, tented both sides, 3 vias
v3: diameter 0.813, hole 0.356, Top Layer to Bottom Layer, tented both sides, 1 vias